# KiCad board oresat-adcs-card.kicad_pcb
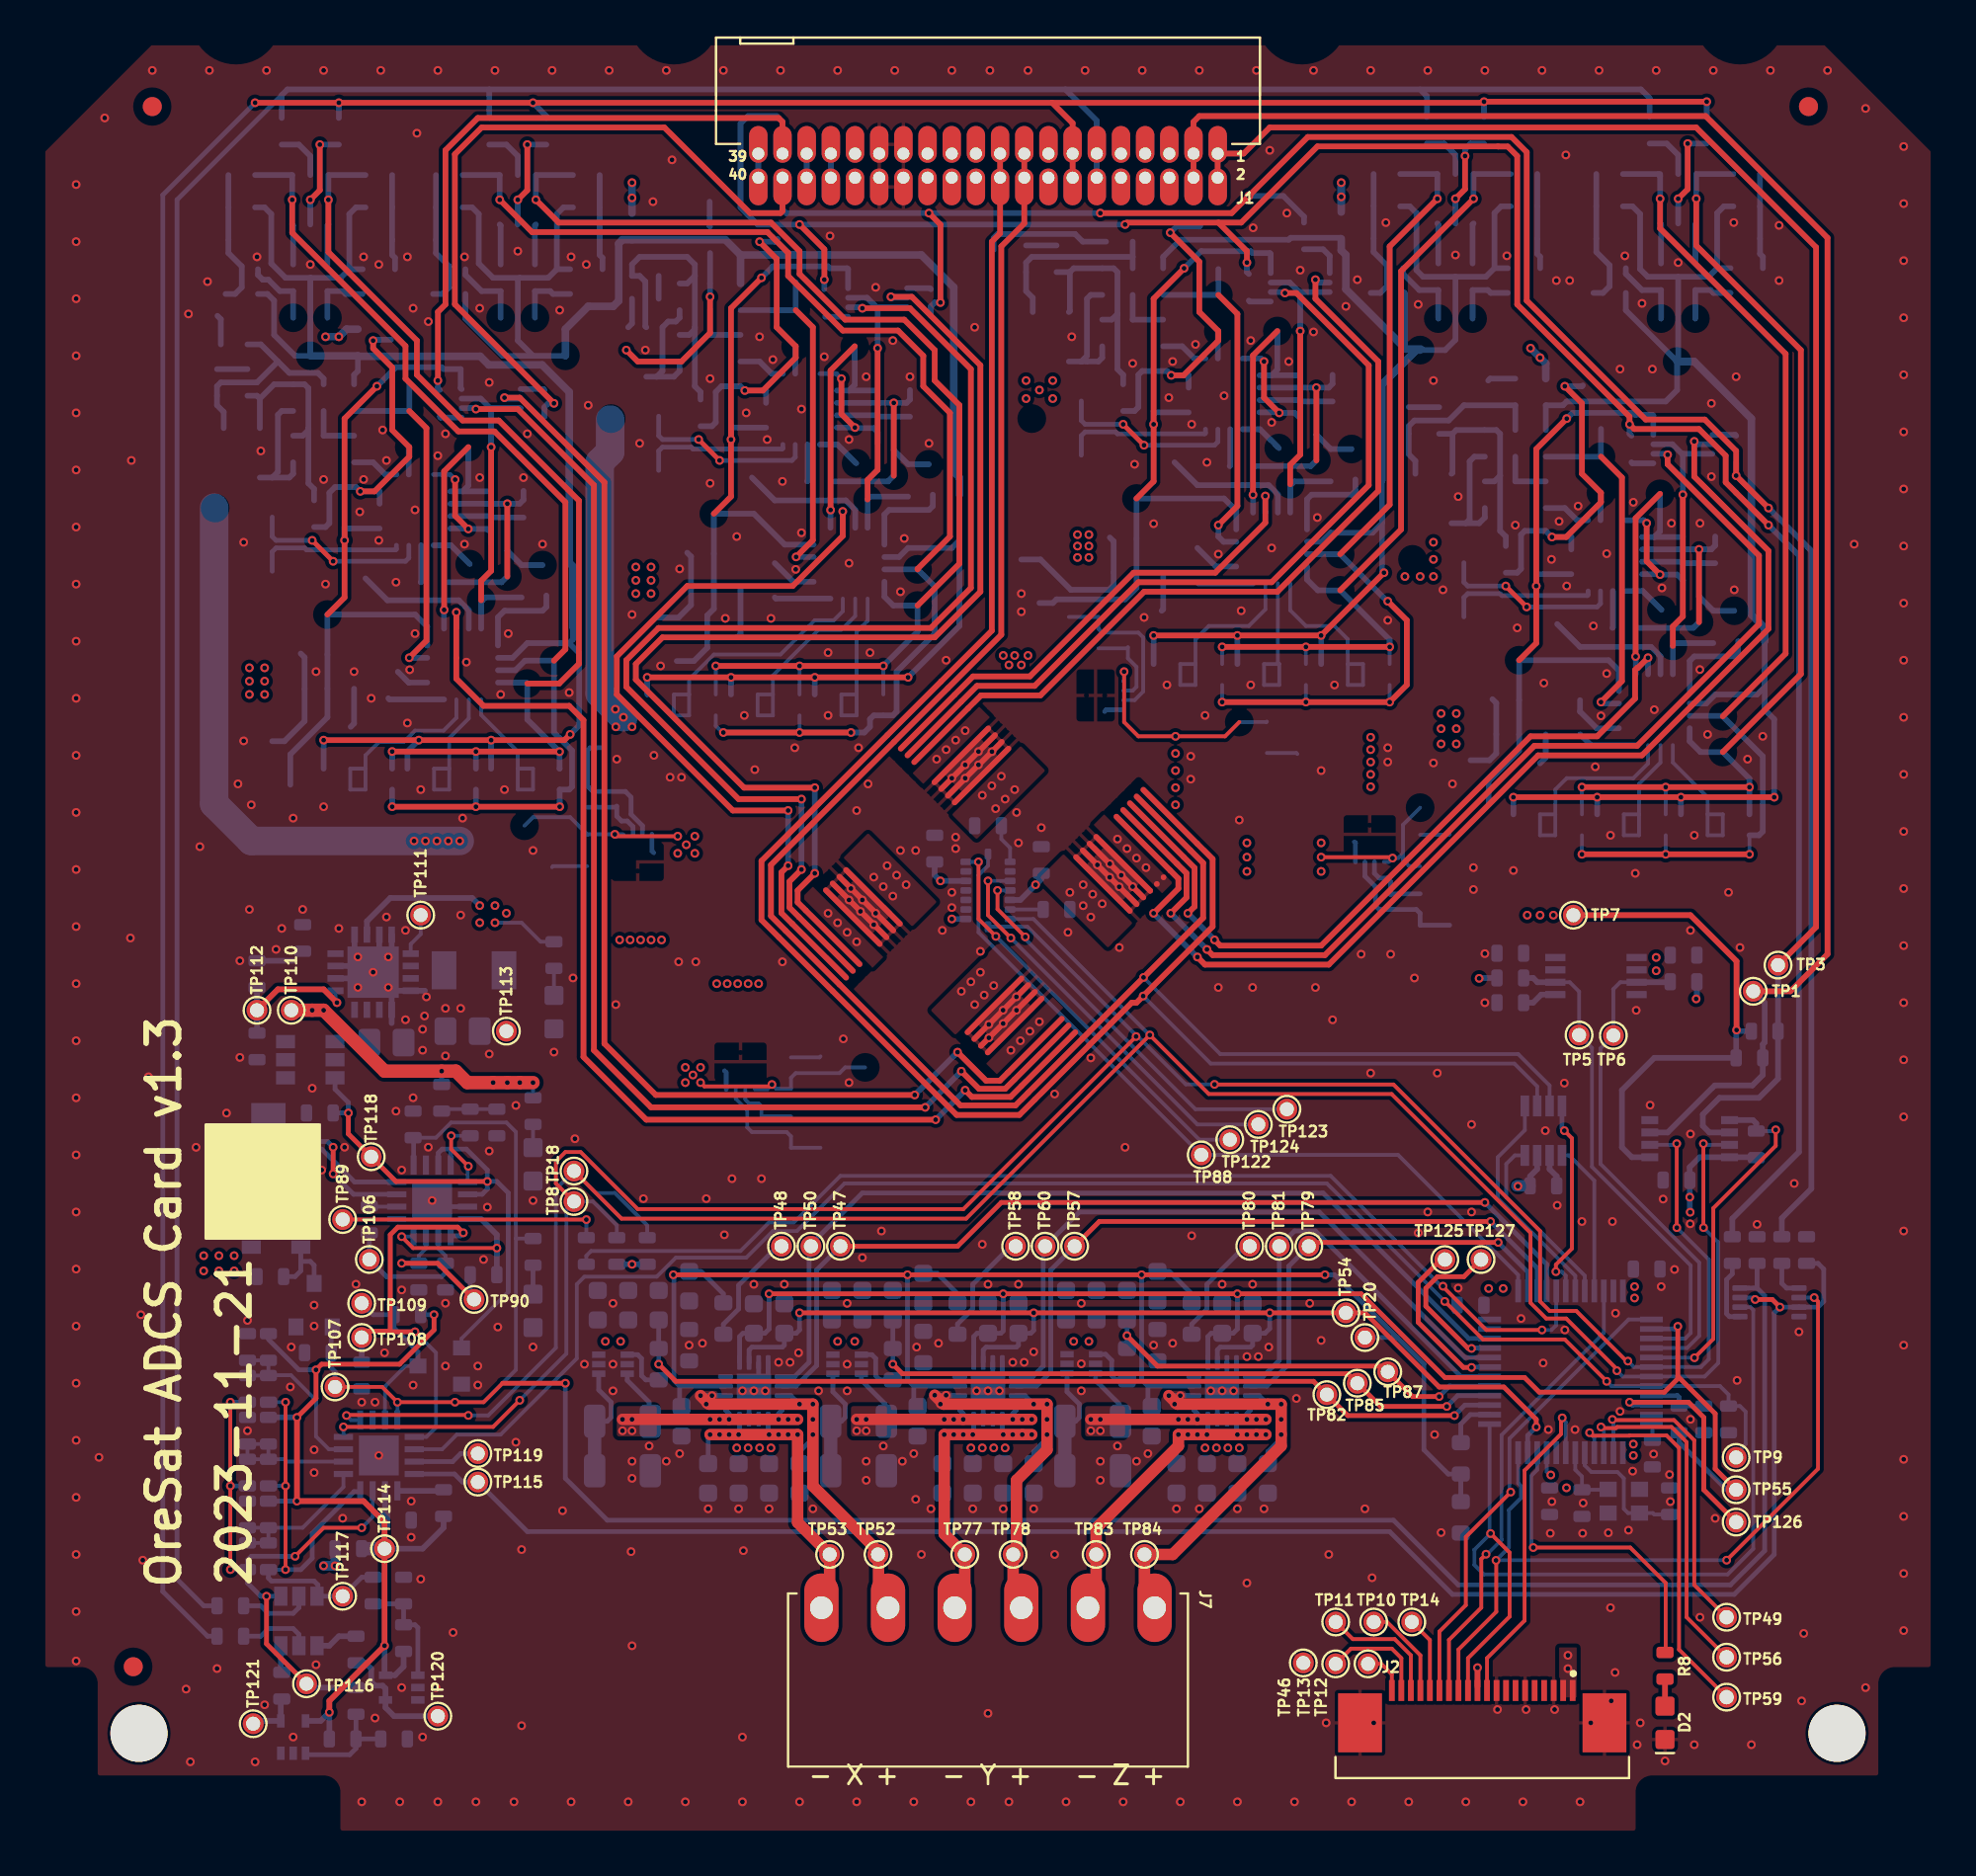
[diagram p0: board, top side]
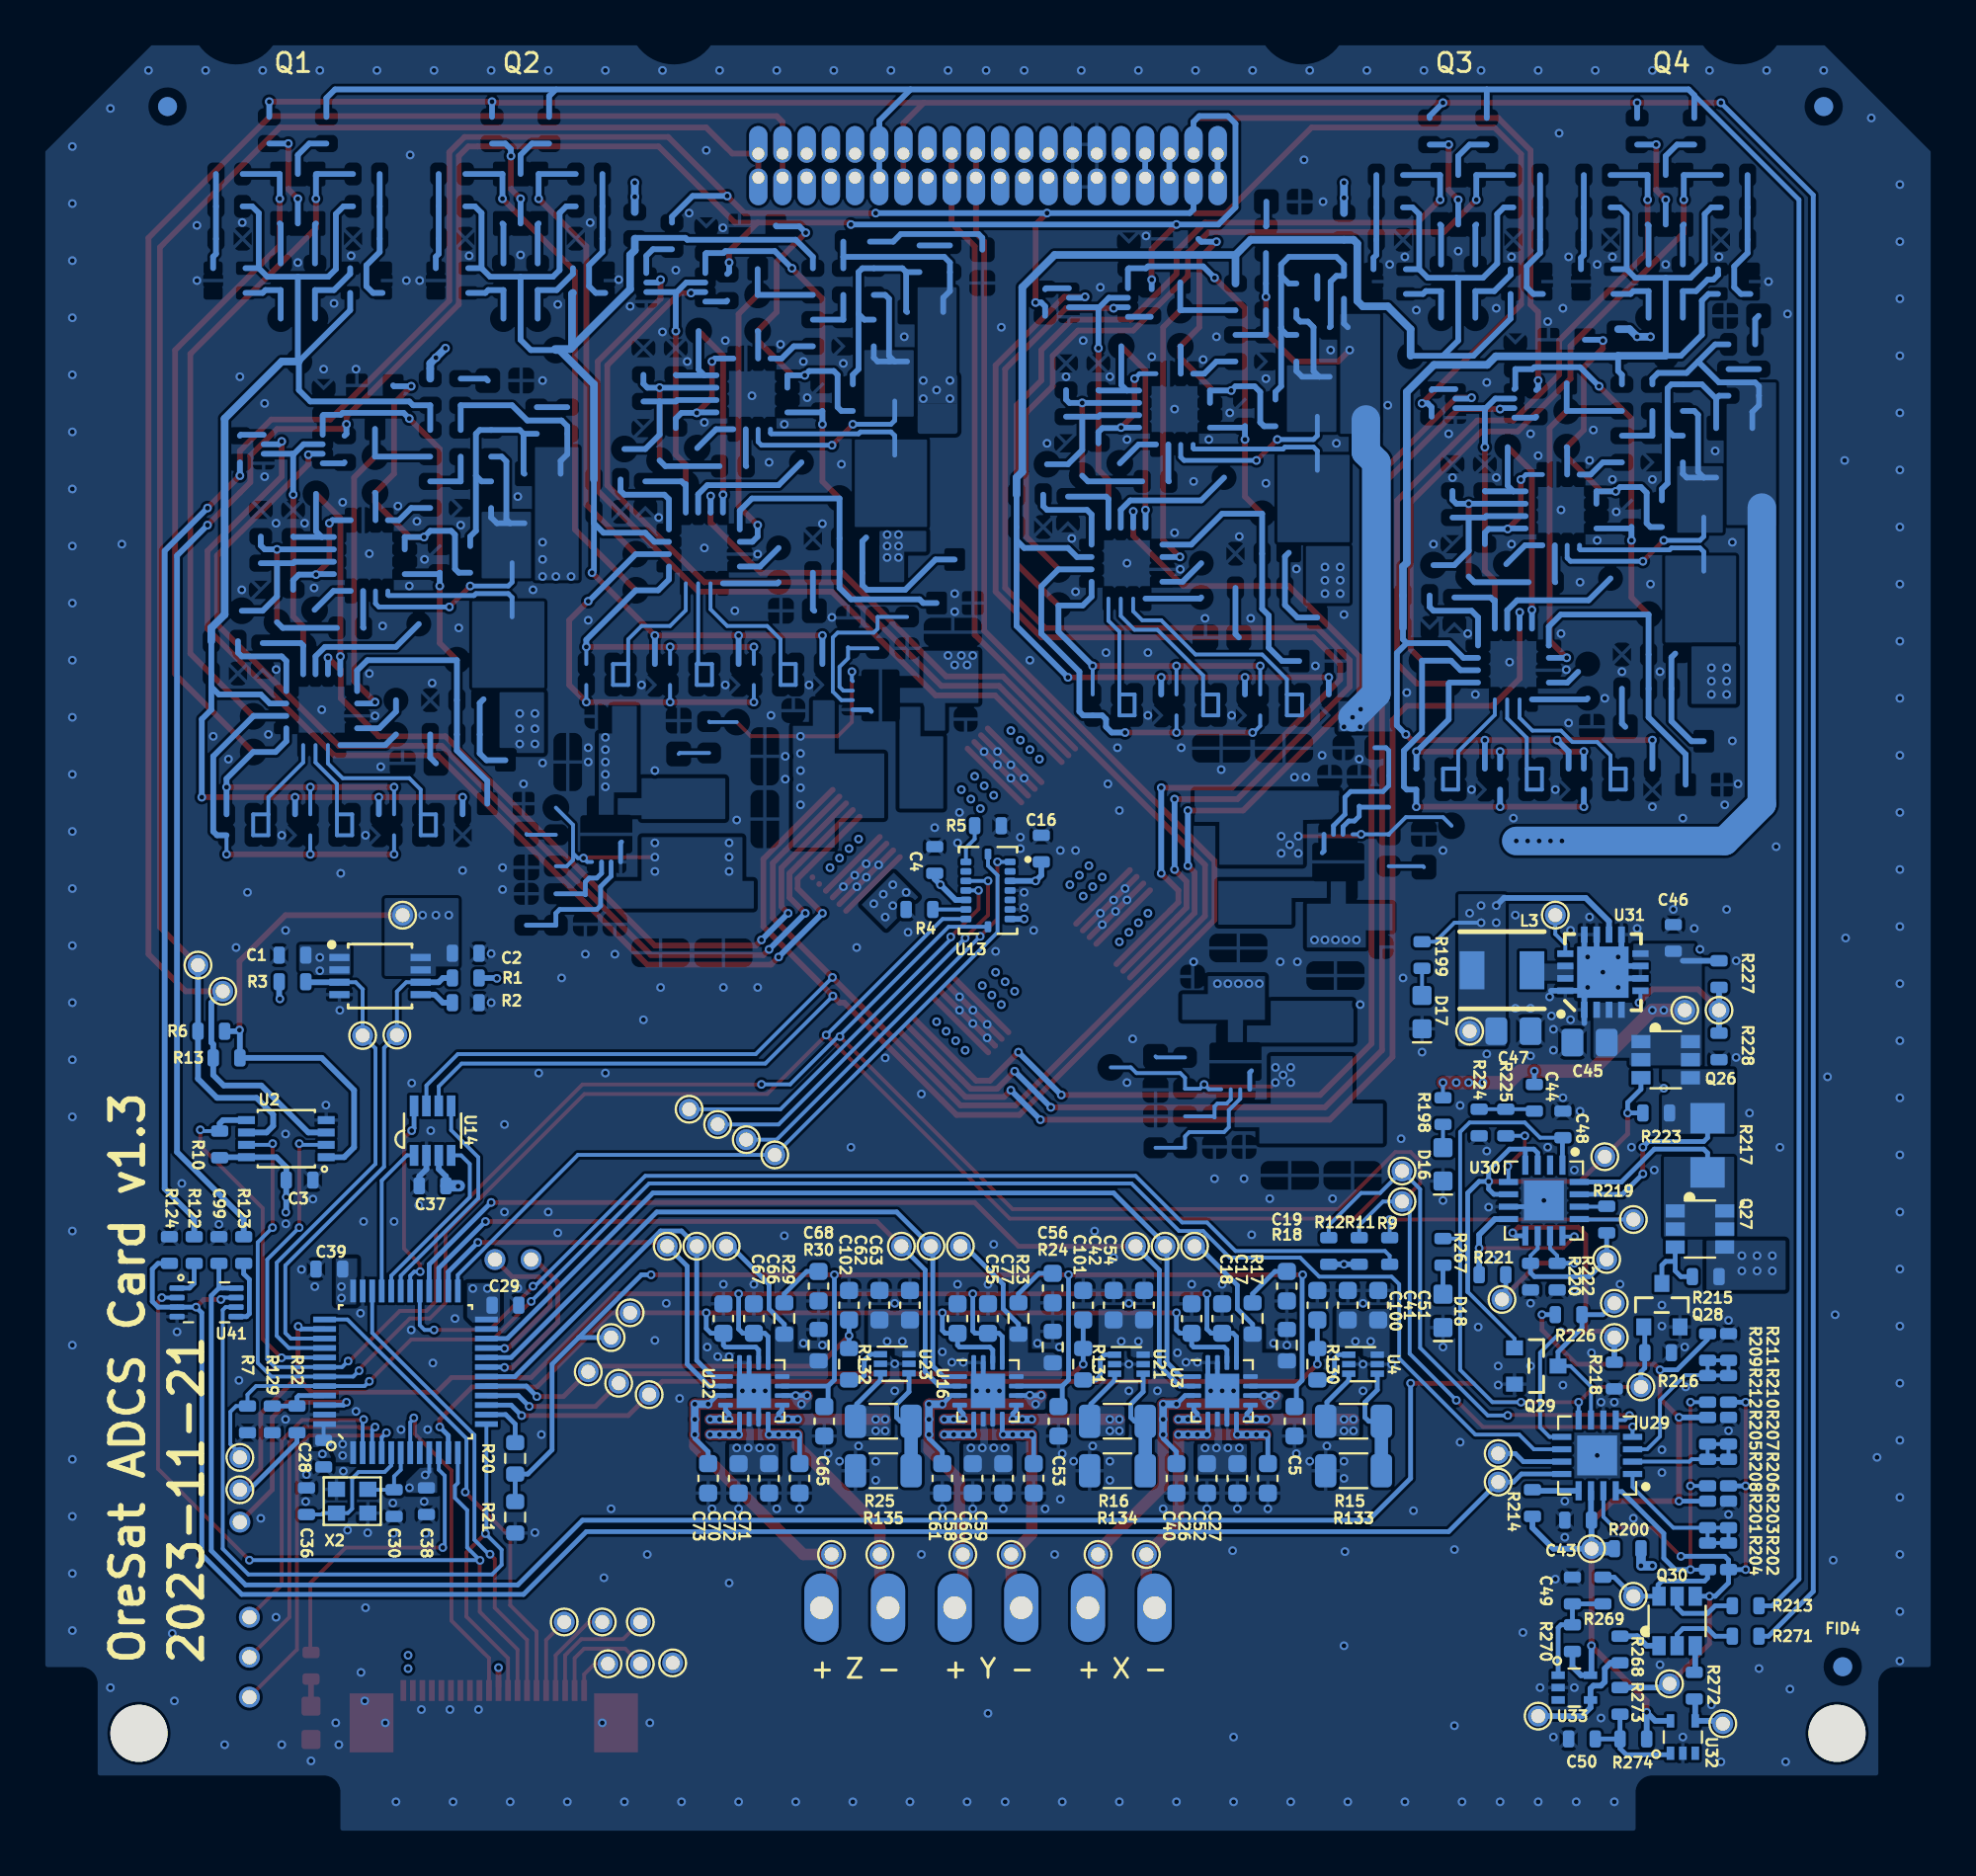
[diagram p1: board, bottom side, seen from below]

Outline 99.8 x 94.6 mm; copper layers: Top, In1.Cu, In2.Cu, Bottom. Coordinates in mm from the lower left corner of the outline.
Stack: Top 0.035mm / dielectric 0.48mm FR4 er 4.5 / In1.Cu 0.035mm / dielectric 0.48mm FR4 er 4.5 / In2.Cu 0.035mm / dielectric 0.48mm FR4 er 4.5 / Bottom 0.035mm

## Placement (name value [footprint] x y rotation side)
C1  1u  [0603-C-NOSILK]  86.44 46.4 0 bottom
C2  1u  [0603-C-NOSILK]  77.34 46.5 180 bottom
C3  1u  [0603-C-NOSILK]  86.06 34.58 180 bottom
C4  1u  [0603-C-NOSILK]  52.7 51.4 90 bottom
C5  10n  [C_0603_1608Metric]  33.8 21.9 270 bottom
C16  1u  [0603-C-NOSILK]  47.1 52 90 bottom
C17  10n  [C_0603_1608Metric]  37.6 27.3 90 bottom
C18  1n  [C_0603_1608Metric]  39.2 27.3 90 bottom
C19  22n  [C_0603_1608Metric]  34.2 29 270 bottom
C26  22u  [C_0603_1608Metric]  38.4 18.9 270 bottom
C27  NP  [C_0603_1608Metric]  35.2 18.9 270 bottom  (not fitted)
C28  100n  [0603-C-NOSILK]  84.8 20.2 90 bottom
C29  100n  [0603-C-NOSILK]  75.25 28 0 bottom
C30  20p  [0603-C-NOSILK]  81.1 17.6 270 bottom
C36  20p  [0603-C-NOSILK]  85.7 17.7 90 bottom
C37  100n  [0603-C-NOSILK]  79.08 34.28 180 bottom
C38  100n  [0603-C-NOSILK]  79.4 17.7 90 bottom
C39  100n  [0603-C-NOSILK]  84.5 29.9 180 bottom
C40  NP  [C_0603_1608Metric]  40 18.9 270 bottom  (not fitted)
C41  100n  [C_0603_1608Metric]  31 28 90 bottom
C42  100n  [C_0603_1608Metric]  43.3 28 90 bottom
C43  100n  [0603-C-NOSILK]  18.9 16.7 180 bottom
C44  1u  [0603-C-NOSILK]  21.2 38.9 90 bottom
C45  10u  [0805-B-NOSILK]  18.3 41.8 0 bottom
C46  1u  [0603-C-NOSILK]  13.9 47.3 90 bottom
C47  22u  [0805-B-NOSILK]  22.3 42.4 180 bottom
C48  1u  [0603-C-NOSILK]  19.7 37.5 90 bottom
C49  1u  [0603-C-NOSILK]  19.2 13 90 bottom
C50  1u  [0603-C-NOSILK]  18.7 5.2 0 bottom
C51  4.7u  [C_0603_1608Metric]  29.4 28 90 bottom
C52  2.2u  [C_0603_1608Metric]  36.8 18.9 270 bottom
C53  10n  [C_0603_1608Metric]  46.2 21.9 270 bottom
C54  4.7u  [C_0603_1608Metric]  41.7 28 90 bottom
C55  1n  [C_0603_1608Metric]  51.5 27.3 90 bottom
C56  22n  [C_0603_1608Metric]  46.5 28.9 270 bottom
C58  22u  [C_0603_1608Metric]  50.7 18.9 270 bottom
C59  NP  [C_0603_1608Metric]  47.5 18.9 270 bottom  (not fitted)
C60  2.2u  [C_0603_1608Metric]  49.1 18.9 270 bottom
C61  NP  [C_0603_1608Metric]  52.3 18.9 270 bottom  (not fitted)
C62  100n  [C_0603_1608Metric]  55.6 28 90 bottom
C63  4.7u  [C_0603_1608Metric]  54 28 90 bottom
C65  10n  [C_0603_1608Metric]  58.5 21.9 270 bottom
C66  10n  [C_0603_1608Metric]  62.2 27.3 90 bottom
C67  1n  [C_0603_1608Metric]  63.8 27.3 90 bottom
C68  22n  [C_0603_1608Metric]  58.8 29 270 bottom
C70  22u  [C_0603_1608Metric]  63 18.9 270 bottom
C71  NP  [C_0603_1608Metric]  59.8 18.9 270 bottom  (not fitted)
C72  2.2u  [C_0603_1608Metric]  61.4 18.9 270 bottom
C73  NP  [C_0603_1608Metric]  64.6 18.9 270 bottom  (not fitted)
C77  10n  [C_0603_1608Metric]  49.9 27.3 90 bottom
C99  100n  [0603-C-NOSILK]  90.3 30.9 270 bottom
C100  100n  [C_0603_1608Metric]  32.6 28 90 bottom
C101  100n  [C_0603_1608Metric]  44.9 28 90 bottom
C102  100n  [C_0603_1608Metric]  57.2 28 90 bottom
D2  AMBER  [LED-0603]  85.46 6.05 270 top
D16  GREEN  [LED-0603]  26 35.4 270 bottom
D17  GREEN  [LED-0603]  27.1 43.4 270 bottom
D18  AMBER  [LED-0603]  26 27.7 270 bottom
FID1  Fiducial  [Fiducial_1mm_Mask2mm]  6 91 0 top
FID2  Fiducial  [Fiducial_1mm_Mask2mm]  5 9 0 top
FID3  Fiducial  [Fiducial_1mm_Mask2mm]  93 91 0 top
FID4  Fiducial  [Fiducial_1mm_Mask2mm]  5 9 180 bottom
FID5  Fiducial  [Fiducial_1mm_Mask2mm]  93 91 180 bottom
FID6  Fiducial  [Fiducial_1mm_Mask2mm]  6 91 180 bottom
J1  -  [J-SAMTEC-TFM-120-X1-XXX-D-RA]  49.9 87.89 0 top
J2  ORESAT-DEBUG-CONNECTOR-SOLAR  [J-TE-2-1734592-0]  75.86 6.05 180 top
J7  Magnetorquer Pins  [J-Wurth-691243100006]  49.9 12.1 180 top
L3  6.8u  [ECS-MPI4040]  22.9 45.6 270 bottom
PCB1  ORESAT-CARD-V1.3-GENERIC-0RF  [ORESAT-CARD-V1.3-0RF]  49.9 49.8 0 top
Q26  MOSFET-PCH-SOT23-6  [SOT23-6]  14.3 40.9 270 bottom
Q27  MOSFET-PCH-SOT23-6  [SOT23-6]  12.5 32 270 bottom
Q28  PMV45EN2R  [SOT23]  14.5 28 180 bottom
Q29  PMV45EN2R  [SOT23]  21.1 24.8 270 bottom
Q30  MOSFET-PCH-dual-SOT23-6  [SOT23-6]  13.7 11.4 180 bottom
R1  10k  [0603-C-NOSILK]  77.34 45.2 180 bottom
R2  23.7k  [0603-C-NOSILK]  77.34 43.9 0 bottom
R3  10k  [0603-C-NOSILK]  86.44 45 0 bottom
R4  10k  [0603-C-NOSILK]  53.5 48.8 180 bottom
R5  10k  [0603-C-NOSILK]  49.9 53.2 0 bottom
R6  10k  [0603-C-NOSILK]  90.7 42.4 0 bottom
R7  10k  [0603-C-NOSILK]  88.8 22 90 bottom
R8  4.7k  [0603-C-NOSILK]  85.46 9.05 90 top
R9  10k  [0603-C-NOSILK]  28.8 30.85 270 bottom
R10  10k  [0603-C-NOSILK]  90.26 36.45 90 bottom
R11  4.7k  [0603-C-NOSILK]  30.4 30.85 270 bottom
R12  4.7k  [0603-C-NOSILK]  32 30.85 270 bottom
R13  10k  [0603-C-NOSILK]  89.9 41 0 bottom
R15  30m  [R_1206_3216Metric]  30.7 21.9 0 bottom
R16  30m  [R_1206_3216Metric]  43.1 21.9 0 bottom
R17  1k  [R_0603_1608Metric]  36 27.3 90 bottom
R18  47k  [R_0603_1608Metric]  34.2 25.9 90 bottom
R20  23.7k  [R_0603_1608Metric]  74.74 19.95 90 bottom
R21  1k  [R_0603_1608Metric]  74.74 16.85 90 bottom
R22  18k  [0603-C-NOSILK]  86.2 22 270 bottom
R23  1k  [R_0603_1608Metric]  48.3 27.3 90 bottom
R24  47k  [R_0603_1608Metric]  46.5 25.8 90 bottom
R25  30m  [R_1206_3216Metric]  55.4 21.9 0 bottom
R29  1k  [R_0603_1608Metric]  60.6 27.3 90 bottom
R30  47k  [R_0603_1608Metric]  58.8 25.9 90 bottom
R122  100  [0603-C-NOSILK]  91.6 30.9 270 bottom
R123  100  [0603-C-NOSILK]  89 30.9 270 bottom
R124  10k  [0603-C-NOSILK]  92.9 30.9 270 bottom
R129  10k  [0603-C-NOSILK]  87.5 22 90 bottom
R130  10k  [R_0603_1608Metric]  32.6 24.9 90 bottom
R131  10k  [R_0603_1608Metric]  44.9 24.9 90 bottom
R132  10k  [R_0603_1608Metric]  57.2 24.9 90 bottom
R133  30m  [R_1206_3216Metric]  30.7 19.3 180 bottom
R134  30m  [R_1206_3216Metric]  43.1 19.3 180 bottom
R135  30m  [R_1206_3216Metric]  55.4 19.3 180 bottom
R198  10k  [0603-C-NOSILK]  26 38.2 90 bottom
R199  10k  [0603-C-NOSILK]  27.1 46.4 90 bottom
R200  10  [0603-C-NOSILK]  16.3 15.2 0 bottom
R201  NP  [0603-C-NOSILK]  12.1 17 90 bottom  (not fitted)
R202  NP  [0603-C-NOSILK]  11 14.8 90 bottom  (not fitted)
R203  100  [0603-C-NOSILK]  11 17 270 bottom
R204  NP  [0603-C-NOSILK]  12.1 14.8 270 bottom  (not fitted)
R205  100  [0603-C-NOSILK]  12.1 21.4 90 bottom
R206  NP  [0603-C-NOSILK]  11 19.2 90 bottom  (not fitted)
R207  NP  [0603-C-NOSILK]  11 21.4 270 bottom  (not fitted)
R208  NP  [0603-C-NOSILK]  12.1 19.2 270 bottom  (not fitted)
R209  NP  [0603-C-NOSILK]  12.1 25.8 90 bottom  (not fitted)
R210  NP  [0603-C-NOSILK]  11 23.6 90 bottom  (not fitted)
R211  100  [0603-C-NOSILK]  11 25.8 270 bottom
R212  NP  [0603-C-NOSILK]  12.1 23.6 270 bottom  (not fitted)
R213  100  [0603-C-NOSILK]  10.1 12.2 0 bottom
R214  10k  [0603-C-NOSILK]  21.3 17.6 270 bottom
R215  10k  [0603-C-NOSILK]  12.2 29.5 180 bottom
R216  10k  [0603-C-NOSILK]  14.7 25.5 0 bottom
R217  15m  [R1206]  12.1 36.4 90 bottom
R218  10k  [0603-C-NOSILK]  17 24.3 90 bottom
R219  0  [0603-C-NOSILK]  17.4 32.5 90 bottom
R220  NP  [0603-C-NOSILK]  21.4 29.5 90 bottom  (not fitted)
R221  0  [0603-C-NOSILK]  23.4 29.6 0 bottom
R222  NP  [0603-C-NOSILK]  20 29.5 90 bottom  (not fitted)
R223  10k  [0603-C-NOSILK]  14.8 38.1 180 bottom
R224  100k  [0603-C-NOSILK]  24.1 37.6 90 bottom
R225  10k  [0603-C-NOSILK]  22.7 37.6 90 bottom
R226  10k  [0603-C-NOSILK]  19.4 27.5 0 bottom
R227  10k  [0603-C-NOSILK]  11.5 45.4 90 bottom
R228  NP  [0603-C-NOSILK]  11.5 41.6 90 bottom  (not fitted)
R267  4.7k  [0603-C-NOSILK]  26 30.8 90 bottom
R268  665k  [0603-C-NOSILK]  16.7 9.9 90 bottom
R269  330k  [0603-C-NOSILK]  17.6 13 90 bottom
R270  1M  [0603-C-NOSILK]  19.2 10.5 270 bottom
R271  100  [0603-C-NOSILK]  10.1 10.6 0 bottom
R272  665k  [0603-C-NOSILK]  12.8 8 90 bottom
R273  330k  [0603-C-NOSILK]  16.7 7.2 90 bottom
R274  1M  [0603-C-NOSILK]  16 5.2 180 bottom
TP1  TEST-POINT-LARGE-SQUARE  [1X01]  90.1 44.5 180 bottom
TP3  TEST-POINT-LARGE-SQUARE  [1X01]  91.4 45.88 180 bottom
TP5  TEST-POINT-LARGE-SQUARE  [1X01]  80.95 42.2 90 bottom
TP6  TEST-POINT-LARGE-SQUARE  [1X01]  82.75 42.18 90 bottom
TP7  TEST-POINT-LARGE-SQUARE  [1X01]  80.65 48.5 180 bottom
TP8  TEST-POINT-LARGE-SQUARE  [1X01]  28.15 33.45 180 bottom
TP9  TEST-POINT-LARGE-SQUARE  [1X01]  89.2 20 270 bottom
TP10  TEST-POINT-LARGE-SQUARE  [1X01]  70.16 11.35 180 bottom
TP11  TEST-POINT-LARGE-SQUARE  [1X01]  68.16 11.35 180 bottom
TP12  TEST-POINT-LARGE-SQUARE  [1X01]  68.16 9.15 180 bottom
TP13  TEST-POINT-LARGE-SQUARE  [1X01]  69.86 9.15 180 bottom
TP14  TEST-POINT-LARGE-SQUARE  [1X01]  72.16 11.35 180 bottom
TP18  TEST-POINT-LARGE-SQUARE  [1X01]  28.15 35.05 180 bottom
TP20  TEST-POINT-LARGE-SQUARE  [1X01]  69.7 26.3 180 bottom
TP46  TEST-POINT-LARGE-SQUARE  [1X01]  66.46 9.2 180 bottom
TP47  TEST-POINT-LARGE-SQUARE  [1X01]  42.15 31.1 0 bottom
TP48  TEST-POINT-LARGE-SQUARE  [1X01]  39.05 31.1 0 bottom
TP49  Test-Point  [TestPoint-0.75mm-th]  88.7 11.6 0 top
TP50  TEST-POINT-LARGE-SQUARE  [1X01]  40.6 31.1 0 bottom
TP52  TEST-POINT-LARGE-SQUARE  [1X01]  44.12 14.9 0 bottom
TP53  TEST-POINT-LARGE-SQUARE  [1X01]  41.58 14.9 0 bottom
TP54  TEST-POINT-LARGE-SQUARE  [1X01]  68.7 27.6 180 bottom
TP55  TEST-POINT-LARGE-SQUARE  [1X01]  89.2 18.3 180 bottom
TP56  Test-Point  [TestPoint-0.75mm-th]  88.7 9.5 0 top
TP57  TEST-POINT-LARGE-SQUARE  [1X01]  54.45 31.1 0 bottom
TP58  TEST-POINT-LARGE-SQUARE  [1X01]  51.35 31.1 0 bottom
TP59  Test-Point  [TestPoint-0.75mm-th]  88.7 7.4 0 top
TP60  TEST-POINT-LARGE-SQUARE  [1X01]  52.9 31.1 0 bottom
TP77  TEST-POINT-LARGE-SQUARE  [1X01]  48.68 14.9 0 bottom
TP78  TEST-POINT-LARGE-SQUARE  [1X01]  51.22 14.9 0 bottom
TP79  TEST-POINT-LARGE-SQUARE  [1X01]  66.75 31.1 0 bottom
TP80  TEST-POINT-LARGE-SQUARE  [1X01]  63.65 31.1 0 bottom
TP81  TEST-POINT-LARGE-SQUARE  [1X01]  65.2 31.1 0 bottom
TP82  TEST-POINT-LARGE-SQUARE  [1X01]  67.7 23.3 180 bottom
TP83  TEST-POINT-LARGE-SQUARE  [1X01]  55.58 14.9 0 bottom
TP84  TEST-POINT-LARGE-SQUARE  [1X01]  58.12 14.9 0 bottom
TP85  TEST-POINT-LARGE-SQUARE  [1X01]  69.3 23.9 180 bottom
TP87  TEST-POINT-LARGE-SQUARE  [1X01]  70.9 24.5 180 bottom
TP88  TEST-POINT-LARGE-SQUARE  [1X01]  61.1 35.9 180 bottom
TP89  TEST-POINT-LARGE-SQUARE  [1X01]  16 32.5 270 bottom
TP90  TEST-POINT-LARGE-SQUARE  [1X01]  22.9 28.3 270 bottom
TP106  TEST-POINT-LARGE-SQUARE  [1X01]  17.4 30.4 270 bottom
TP107  TEST-POINT-LARGE-SQUARE  [1X01]  15.6 23.7 180 bottom
TP108  TEST-POINT-LARGE-SQUARE  [1X01]  17 26.3 270 bottom
TP109  TEST-POINT-LARGE-SQUARE  [1X01]  17 28.1 270 bottom
TP110  TEST-POINT-LARGE-SQUARE  [1X01]  13.3 43.5 270 bottom
TP111  TEST-POINT-LARGE-SQUARE  [1X01]  20.1 48.5 90 bottom
TP112  TEST-POINT-LARGE-SQUARE  [1X01]  11.5 43.5 270 bottom
TP113  TEST-POINT-LARGE-SQUARE  [1X01]  24.6 42.4 90 bottom
TP114  TEST-POINT-LARGE-SQUARE  [1X01]  18.2 15.2 270 bottom
TP115  TEST-POINT-LARGE-SQUARE  [1X01]  23.1 18.7 270 bottom
TP116  TEST-POINT-LARGE-SQUARE  [1X01]  14.1 8.1 270 bottom
TP117  TEST-POINT-LARGE-SQUARE  [1X01]  16 12.7 270 bottom
TP118  TEST-POINT-LARGE-SQUARE  [1X01]  17.5 35.8 270 bottom
TP119  TEST-POINT-LARGE-SQUARE  [1X01]  23.1 20.2 270 bottom
TP120  TEST-POINT-LARGE-SQUARE  [1X01]  21 6.4 270 bottom
TP121  TEST-POINT-LARGE-SQUARE  [1X01]  11.3 6 270 bottom
TP122  TEST-POINT-LARGE-SQUARE  [1X01]  62.6 36.7 180 bottom
TP123  TEST-POINT-LARGE-SQUARE  [1X01]  65.6 38.3 180 bottom
TP124  TEST-POINT-LARGE-SQUARE  [1X01]  64.1 37.5 180 bottom
TP125  Test-Point  [TestPoint-0.75mm-th]  73.9 30.4 0 top
TP126  Test-Point  [TestPoint-0.75mm-th]  89.2 16.6 0 top
TP127  Test-Point  [TestPoint-0.75mm-th]  75.8 30.4 0 top
U1  MAX892LEUA+T21-0036K-L  [21-0036K-L]  81.84 45.3 180 bottom
U2  LTC4300A-1  [MS8]  86.76 36.75 90 bottom
U3  STSPIN250  [VQFN-16-1EP_3x3mm_P0.5mm_EP1.8x1.8mm]  37.6 23.5 180 bottom
U4  INA185  [SOT-563]  30.2 24.9 180 bottom
U13  BMI088  [PQFN50P450X300X100-16N]  49.9 49.8 270 bottom
U14  TCAN330GDCNT  [SOT23-8_TI-DCN]  79.08 37.18 180 bottom
U15  STM32F042K6T7  [STM32F091C]  80.5 24.5 180 bottom
U16  STSPIN250  [VQFN-16-1EP_3x3mm_P0.5mm_EP1.8x1.8mm]  49.9 23.5 180 bottom